# KiCad board rabbit_mask_capacitors.kicad_pcb (continued)
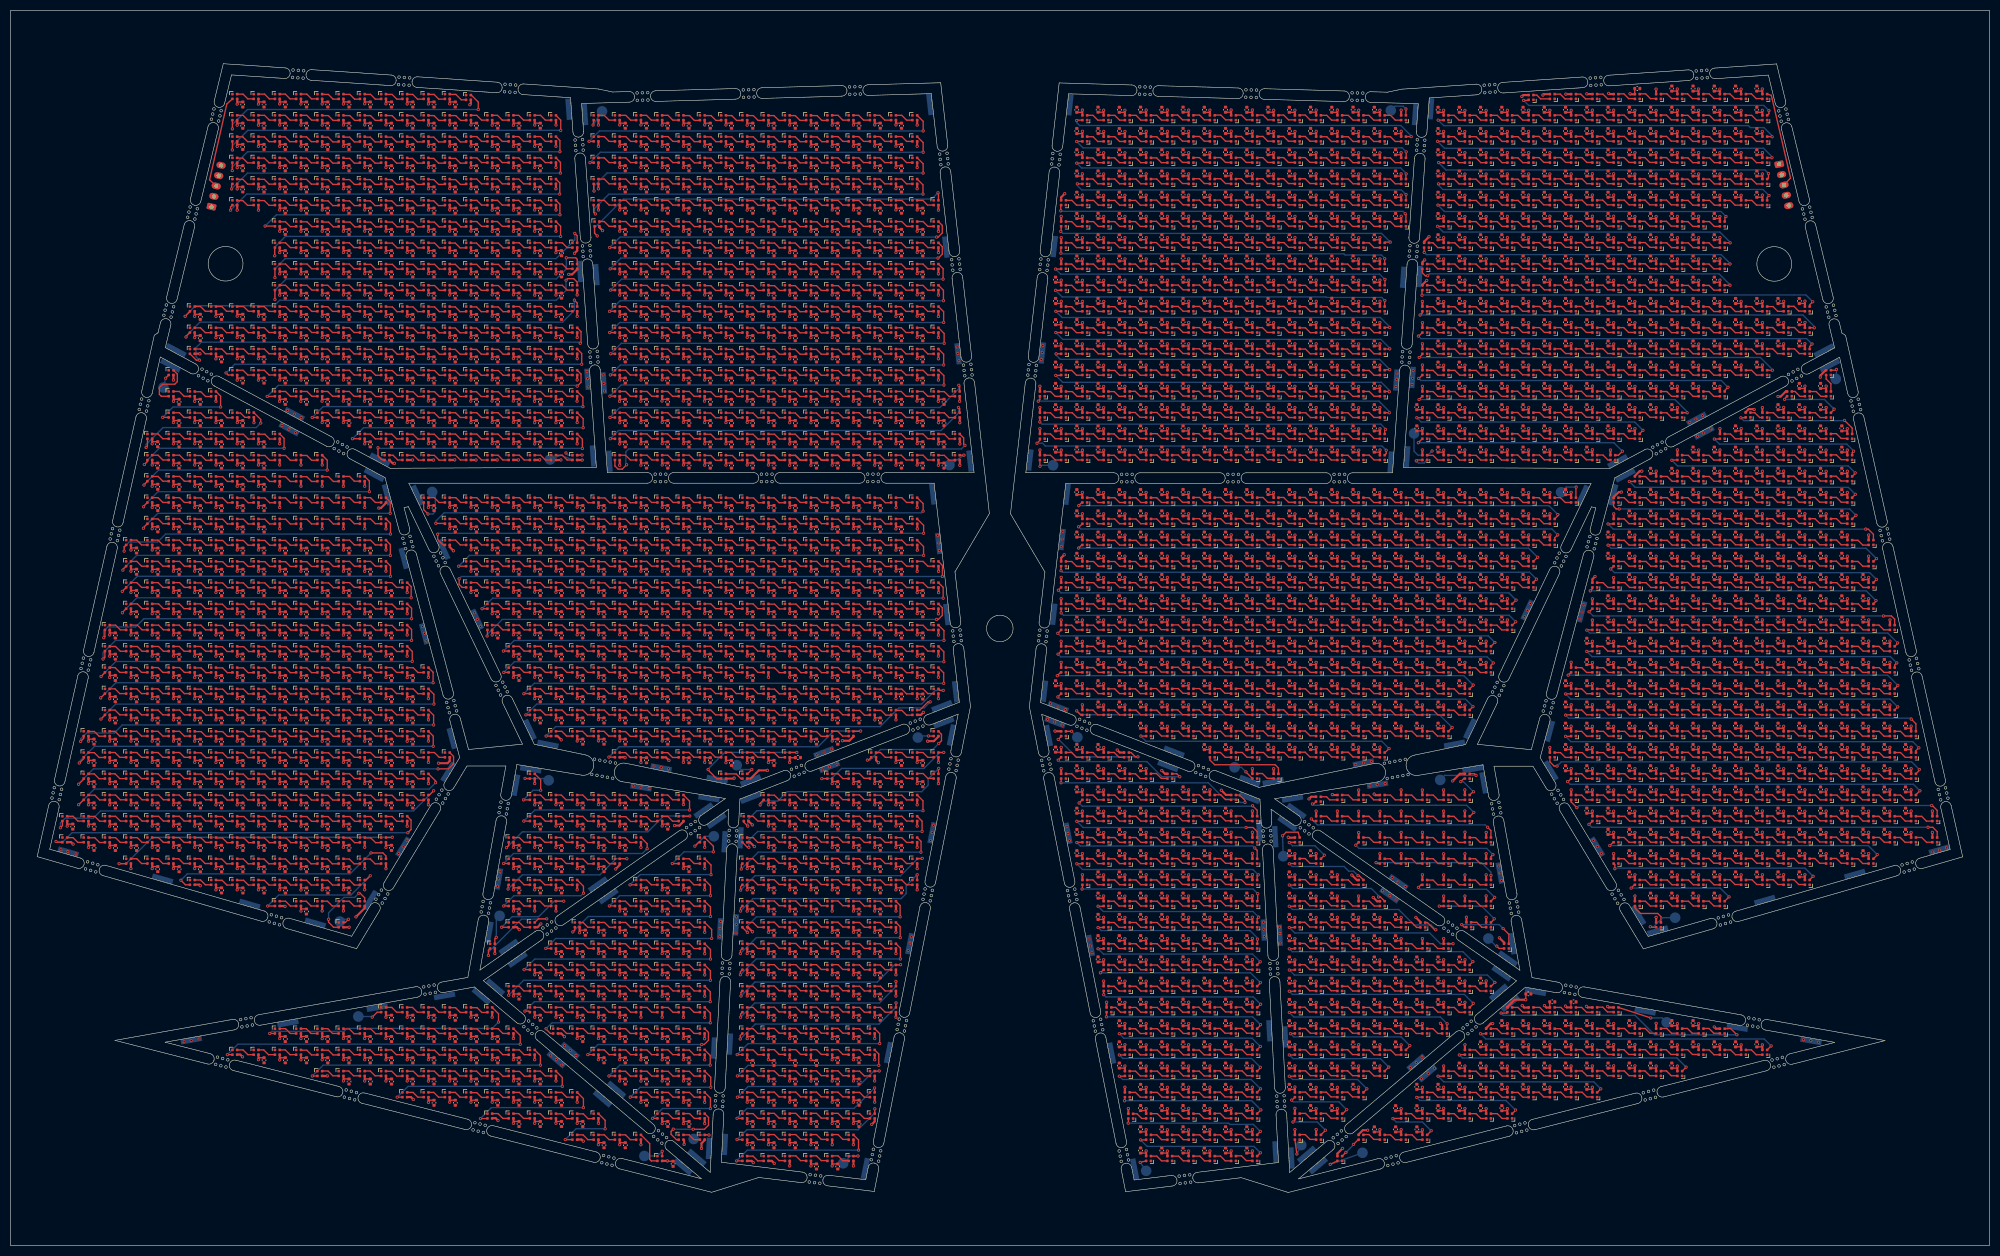
[diagram p0: board, top side]
## Placement (name value [footprint] x y rotation side) (continued)
D2834  SK6812-1515  [LED_SK6812_EC15_1.5x1.5mm]  302.2 44.36 180 top
D2835  SK6812-1515  [LED_SK6812_EC15_1.5x1.5mm]  210.2 40.36 180 top
D2836  SK6812-1515  [LED_SK6812_EC15_1.5x1.5mm]  214.2 40.36 180 top
D2837  SK6812-1515  [LED_SK6812_EC15_1.5x1.5mm]  218.2 40.36 180 top
D2838  SK6812-1515  [LED_SK6812_EC15_1.5x1.5mm]  222.2 40.36 180 top
D2839  SK6812-1515  [LED_SK6812_EC15_1.5x1.5mm]  226.2 40.36 180 top
D2840  SK6812-1515  [LED_SK6812_EC15_1.5x1.5mm]  230.2 40.36 180 top
D2841  SK6812-1515  [LED_SK6812_EC15_1.5x1.5mm]  234.2 40.36 180 top
D2842  SK6812-1515  [LED_SK6812_EC15_1.5x1.5mm]  242.2 40.36 180 top
D2843  SK6812-1515  [LED_SK6812_EC15_1.5x1.5mm]  246.2 40.36 180 top
D2844  SK6812-1515  [LED_SK6812_EC15_1.5x1.5mm]  250.2 40.36 180 top
D2845  SK6812-1515  [LED_SK6812_EC15_1.5x1.5mm]  254.2 40.36 180 top
D2846  SK6812-1515  [LED_SK6812_EC15_1.5x1.5mm]  258.2 40.36 180 top
D2847  SK6812-1515  [LED_SK6812_EC15_1.5x1.5mm]  262.2 40.36 180 top
D2848  SK6812-1515  [LED_SK6812_EC15_1.5x1.5mm]  266.2 40.36 180 top
D2849  SK6812-1515  [LED_SK6812_EC15_1.5x1.5mm]  269.93 40.36 180 top
D2850  SK6812-1515  [LED_SK6812_EC15_1.5x1.5mm]  278.2 40.36 180 top
D2851  SK6812-1515  [LED_SK6812_EC15_1.5x1.5mm]  282.2 40.36 180 top
D2852  SK6812-1515  [LED_SK6812_EC15_1.5x1.5mm]  286.2 40.36 180 top
D2853  SK6812-1515  [LED_SK6812_EC15_1.5x1.5mm]  290.2 40.36 180 top
D2854  SK6812-1515  [LED_SK6812_EC15_1.5x1.5mm]  294.2 40.36 180 top
D2855  SK6812-1515  [LED_SK6812_EC15_1.5x1.5mm]  298.2 40.36 180 top
D2856  SK6812-1515  [LED_SK6812_EC15_1.5x1.5mm]  302.2 40.36 180 top
D2857  SK6812-1515  [LED_SK6812_EC15_1.5x1.5mm]  306.2 40.36 180 top
D2858  SK6812-1515  [LED_SK6812_EC15_1.5x1.5mm]  310.2 40.36 180 top
D2859  SK6812-1515  [LED_SK6812_EC15_1.5x1.5mm]  314.2 40.36 180 top
D2860  SK6812-1515  [LED_SK6812_EC15_1.5x1.5mm]  318.2 40.36 180 top
D2861  SK6812-1515  [LED_SK6812_EC15_1.5x1.5mm]  322.2 40.36 180 top
D2862  SK6812-1515  [LED_SK6812_EC15_1.5x1.5mm]  210.2 36.36 180 top
D2863  SK6812-1515  [LED_SK6812_EC15_1.5x1.5mm]  214.2 36.36 180 top
D2864  SK6812-1515  [LED_SK6812_EC15_1.5x1.5mm]  218.2 36.36 180 top
D2865  SK6812-1515  [LED_SK6812_EC15_1.5x1.5mm]  222.2 36.36 180 top
D2866  SK6812-1515  [LED_SK6812_EC15_1.5x1.5mm]  226.2 36.36 180 top
D2867  SK6812-1515  [LED_SK6812_EC15_1.5x1.5mm]  230.2 36.36 180 top
D2868  SK6812-1515  [LED_SK6812_EC15_1.5x1.5mm]  234.2 36.36 180 top
D2869  SK6812-1515  [LED_SK6812_EC15_1.5x1.5mm]  242.2 36.36 180 top
D2870  SK6812-1515  [LED_SK6812_EC15_1.5x1.5mm]  246.2 36.36 180 top
D2871  SK6812-1515  [LED_SK6812_EC15_1.5x1.5mm]  250.2 36.36 180 top
D2872  SK6812-1515  [LED_SK6812_EC15_1.5x1.5mm]  254.2 36.36 180 top
D2873  SK6812-1515  [LED_SK6812_EC15_1.5x1.5mm]  258.2 36.36 180 top
D2874  SK6812-1515  [LED_SK6812_EC15_1.5x1.5mm]  262.2 36.36 180 top
D2875  SK6812-1515  [LED_SK6812_EC15_1.5x1.5mm]  274.2 36.36 180 top
D2876  SK6812-1515  [LED_SK6812_EC15_1.5x1.5mm]  278.2 36.36 180 top
D2877  SK6812-1515  [LED_SK6812_EC15_1.5x1.5mm]  282.2 36.36 180 top
D2878  SK6812-1515  [LED_SK6812_EC15_1.5x1.5mm]  286.2 36.36 180 top
D2879  SK6812-1515  [LED_SK6812_EC15_1.5x1.5mm]  290.2 36.36 180 top
D2880  SK6812-1515  [LED_SK6812_EC15_1.5x1.5mm]  294.2 36.36 180 top
D2881  SK6812-1515  [LED_SK6812_EC15_1.5x1.5mm]  298.2 36.36 180 top
D2882  SK6812-1515  [LED_SK6812_EC15_1.5x1.5mm]  302.2 36.36 180 top
D2883  SK6812-1515  [LED_SK6812_EC15_1.5x1.5mm]  306.2 36.36 180 top
D2884  SK6812-1515  [LED_SK6812_EC15_1.5x1.5mm]  310.2 36.36 180 top
D2885  SK6812-1515  [LED_SK6812_EC15_1.5x1.5mm]  314.2 36.36 180 top
D2886  SK6812-1515  [LED_SK6812_EC15_1.5x1.5mm]  318.2 36.36 180 top
D2887  SK6812-1515  [LED_SK6812_EC15_1.5x1.5mm]  322.2 36.36 180 top
D2888  SK6812-1515  [LED_SK6812_EC15_1.5x1.5mm]  326.2 36.36 180 top
D2889  SK6812-1515  [LED_SK6812_EC15_1.5x1.5mm]  330.2 36.36 180 top
D2890  SK6812-1515  [LED_SK6812_EC15_1.5x1.5mm]  210.2 32.36 180 top
D2891  SK6812-1515  [LED_SK6812_EC15_1.5x1.5mm]  214.2 32.36 180 top
D2892  SK6812-1515  [LED_SK6812_EC15_1.5x1.5mm]  218.2 32.36 180 top
D2893  SK6812-1515  [LED_SK6812_EC15_1.5x1.5mm]  222.2 32.36 180 top
D2894  SK6812-1515  [LED_SK6812_EC15_1.5x1.5mm]  226.2 32.36 180 top
D2895  SK6812-1515  [LED_SK6812_EC15_1.5x1.5mm]  230.2 32.36 180 top
D2896  SK6812-1515  [LED_SK6812_EC15_1.5x1.5mm]  234.2 32.36 180 top
D2897  SK6812-1515  [LED_SK6812_EC15_1.5x1.5mm]  242.2 32.36 180 top
D2898  SK6812-1515  [LED_SK6812_EC15_1.5x1.5mm]  246.2 32.36 180 top
D2899  SK6812-1515  [LED_SK6812_EC15_1.5x1.5mm]  250.2 32.36 180 top
D2900  SK6812-1515  [LED_SK6812_EC15_1.5x1.5mm]  254.2 32.36 180 top
D2901  SK6812-1515  [LED_SK6812_EC15_1.5x1.5mm]  258.2 32.36 180 top
D2902  SK6812-1515  [LED_SK6812_EC15_1.5x1.5mm]  270.2 32.36 180 top
D2903  SK6812-1515  [LED_SK6812_EC15_1.5x1.5mm]  274.2 32.36 180 top
D2904  SK6812-1515  [LED_SK6812_EC15_1.5x1.5mm]  278.2 32.36 180 top
D2905  SK6812-1515  [LED_SK6812_EC15_1.5x1.5mm]  282.2 32.36 180 top
D2906  SK6812-1515  [LED_SK6812_EC15_1.5x1.5mm]  286.2 32.36 180 top
D2907  SK6812-1515  [LED_SK6812_EC15_1.5x1.5mm]  290.2 32.36 180 top
D2908  SK6812-1515  [LED_SK6812_EC15_1.5x1.5mm]  294.2 32.36 180 top
D2909  SK6812-1515  [LED_SK6812_EC15_1.5x1.5mm]  298.2 32.36 180 top
D2910  SK6812-1515  [LED_SK6812_EC15_1.5x1.5mm]  302.2 32.36 180 top
D2911  SK6812-1515  [LED_SK6812_EC15_1.5x1.5mm]  306.2 32.36 180 top
D2912  SK6812-1515  [LED_SK6812_EC15_1.5x1.5mm]  310.2 32.36 180 top
D2913  SK6812-1515  [LED_SK6812_EC15_1.5x1.5mm]  314.2 32.36 180 top
D2914  SK6812-1515  [LED_SK6812_EC15_1.5x1.5mm]  210.2 28.36 180 top
D2915  SK6812-1515  [LED_SK6812_EC15_1.5x1.5mm]  214.2 28.36 180 top
D2916  SK6812-1515  [LED_SK6812_EC15_1.5x1.5mm]  218.2 28.36 180 top
D2917  SK6812-1515  [LED_SK6812_EC15_1.5x1.5mm]  222.2 28.36 180 top
D2918  SK6812-1515  [LED_SK6812_EC15_1.5x1.5mm]  226.2 28.36 180 top
D2919  SK6812-1515  [LED_SK6812_EC15_1.5x1.5mm]  230.2 28.36 180 top
D2920  SK6812-1515  [LED_SK6812_EC15_1.5x1.5mm]  234.2 28.36 180 top
D2921  SK6812-1515  [LED_SK6812_EC15_1.5x1.5mm]  242.2 28.36 180 top
D2922  SK6812-1515  [LED_SK6812_EC15_1.5x1.5mm]  246.2 28.36 180 top
D2923  SK6812-1515  [LED_SK6812_EC15_1.5x1.5mm]  250.2 28.36 180 top
D2924  SK6812-1515  [LED_SK6812_EC15_1.5x1.5mm]  254.2 28.36 180 top
D2925  SK6812-1515  [LED_SK6812_EC15_1.5x1.5mm]  266.2 28.36 180 top
D2926  SK6812-1515  [LED_SK6812_EC15_1.5x1.5mm]  270.2 28.36 180 top
D2927  SK6812-1515  [LED_SK6812_EC15_1.5x1.5mm]  274.2 28.36 180 top
D2928  SK6812-1515  [LED_SK6812_EC15_1.5x1.5mm]  278.2 28.36 180 top
D2929  SK6812-1515  [LED_SK6812_EC15_1.5x1.5mm]  282.2 28.36 180 top
D2930  SK6812-1515  [LED_SK6812_EC15_1.5x1.5mm]  286.2 28.36 180 top
D2931  SK6812-1515  [LED_SK6812_EC15_1.5x1.5mm]  290.2 28.36 180 top
D2932  SK6812-1515  [LED_SK6812_EC15_1.5x1.5mm]  294.2 28.36 180 top
D2933  SK6812-1515  [LED_SK6812_EC15_1.5x1.5mm]  298.2 28.36 180 top
D2934  SK6812-1515  [LED_SK6812_EC15_1.5x1.5mm]  210.85 24.34 180 top
D2935  SK6812-1515  [LED_SK6812_EC15_1.5x1.5mm]  214.2 24.36 180 top
D2936  SK6812-1515  [LED_SK6812_EC15_1.5x1.5mm]  218.2 24.36 180 top
D2937  SK6812-1515  [LED_SK6812_EC15_1.5x1.5mm]  222.2 24.36 180 top
D2938  SK6812-1515  [LED_SK6812_EC15_1.5x1.5mm]  226.2 24.36 180 top
D2939  SK6812-1515  [LED_SK6812_EC15_1.5x1.5mm]  230.2 24.36 180 top
D2940  SK6812-1515  [LED_SK6812_EC15_1.5x1.5mm]  234.2 24.36 180 top
D2941  SK6812-1515  [LED_SK6812_EC15_1.5x1.5mm]  242.2 24.36 180 top
D2942  SK6812-1515  [LED_SK6812_EC15_1.5x1.5mm]  246.2 24.36 180 top
D2943  SK6812-1515  [LED_SK6812_EC15_1.5x1.5mm]  250.2 24.36 180 top
D2944  SK6812-1515  [LED_SK6812_EC15_1.5x1.5mm]  262.2 24.36 180 top
D2945  SK6812-1515  [LED_SK6812_EC15_1.5x1.5mm]  266.2 24.36 180 top
D2946  SK6812-1515  [LED_SK6812_EC15_1.5x1.5mm]  270.2 24.36 180 top
D2947  SK6812-1515  [LED_SK6812_EC15_1.5x1.5mm]  274.2 24.36 180 top
D2948  SK6812-1515  [LED_SK6812_EC15_1.5x1.5mm]  278.2 24.36 180 top
D2949  SK6812-1515  [LED_SK6812_EC15_1.5x1.5mm]  282.2 24.36 180 top
D2950  SK6812-1515  [LED_SK6812_EC15_1.5x1.5mm]  214.2 20.36 180 top
D2951  SK6812-1515  [LED_SK6812_EC15_1.5x1.5mm]  218.2 20.36 180 top
D2952  SK6812-1515  [LED_SK6812_EC15_1.5x1.5mm]  222.2 20.36 180 top
D2953  SK6812-1515  [LED_SK6812_EC15_1.5x1.5mm]  226.2 20.36 180 top
D2954  SK6812-1515  [LED_SK6812_EC15_1.5x1.5mm]  230.2 20.36 180 top
D2955  SK6812-1515  [LED_SK6812_EC15_1.5x1.5mm]  234.2 20.36 180 top
D2956  SK6812-1515  [LED_SK6812_EC15_1.5x1.5mm]  242.2 20.36 180 top
D2957  SK6812-1515  [LED_SK6812_EC15_1.5x1.5mm]  246.2 20.36 180 top
D2958  SK6812-1515  [LED_SK6812_EC15_1.5x1.5mm]  254.2 20.36 180 top
D2959  SK6812-1515  [LED_SK6812_EC15_1.5x1.5mm]  258.2 20.36 180 top
D2960  SK6812-1515  [LED_SK6812_EC15_1.5x1.5mm]  262.2 20.36 180 top
D2961  SK6812-1515  [LED_SK6812_EC15_1.5x1.5mm]  266.2 20.36 180 top
D2962  SK6812-1515  [LED_SK6812_EC15_1.5x1.5mm]  214.2 16.36 180 top
D2963  SK6812-1515  [LED_SK6812_EC15_1.5x1.5mm]  218.2 16.36 180 top
D2964  SK6812-1515  [LED_SK6812_EC15_1.5x1.5mm]  222.2 16.36 180 top
D2965  SK6812-1515  [LED_SK6812_EC15_1.5x1.5mm]  226.2 16.36 180 top
D2966  SK6812-1515  [LED_SK6812_EC15_1.5x1.5mm]  230.2 16.36 180 top
D2967  SK6812-1515  [LED_SK6812_EC15_1.5x1.5mm]  234.2 16.36 180 top
D2968  SK6812-1515  [LED_SK6812_EC15_1.5x1.5mm]  250.2 16.36 180 top
J1485  Conn_01x05  [JST_PH_S5B-PH-K_1x05_P2.00mm_Horizontal]  37.81 195.61 77 bottom
J1486  Conn_01x05  [JST_PH_S5B-PH-K_1x05_P2.00mm_Horizontal]  332.91 203.61 283 bottom
J1487  Bridge  [1x4_SMD_edge]  112.7 147.66 184 bottom
J1487#2  Bridge  [1x4_SMD_edge]  233.25 87.46 69 bottom
J1487#3  Bridge  [1x4_SMD_edge]  173.6 141.51 6.5 bottom
J1487#4  Bridge  [1x4_SMD_edge]  325.02 41.01 260 bottom
J1487#5  Bridge  [1x4_SMD_edge]  239.95 39.26 3 bottom
J1487#6  Bridge  [1x4_SMD_edge]  238.1 17.61 3 bottom
J1487#7  Bridge  [1x4_SMD_edge]  271.8 94.41 101 bottom
J1487#8  Bridge  [1x4_SMD_edge]  281.85 54.01 55 bottom
J1487#9  Bridge  [1x4_SMD_edge]  235.05 78.11 3 bottom
J1487#10  Bridge  [1x4_SMD_edge]  97.75 97.16 25 bottom
J1487#11  Bridge  [1x4_SMD_edge]  134.45 19.01 357 bottom
J1487#12  Bridge  [1x4_SMD_edge]  76.6 141.26 25 bottom
J1487#13  Bridge  [1x4_SMD_edge]  173.05 214.86 6.5 bottom
J1487#14  Bridge  [1x4_SMD_edge]  28.6 69.01 74 bottom
J1487#15  Bridge  [1x4_SMD_edge]  242.05 81.81 55 bottom
J1487#16  Bridge  [1x4_SMD_edge]  109.65 148.66 184 bottom
J1487#17  Bridge  [1x4_SMD_edge]  280.65 51.21 55 bottom
J1487#18  Bridge  [1x4_SMD_edge]  126.55 14.81 229.5 bottom
J1487#19  Bridge  [1x4_SMD_edge]  295.9 141.26 335 bottom
J1487#20  Bridge  [1x4_SMD_edge]  236.95 40.41 3 bottom
J1487#21  Bridge  [1x4_SMD_edge]  176.25 118.81 6.5 bottom
J1487#22  Bridge  [1x4_SMD_edge]  194.6 104.36 353.5 bottom
J1487#23  Bridge  [1x4_SMD_edge]  107.2 183.41 184 bottom
J1487#24  Bridge  [1x4_SMD_edge]  30.1 165.71 242 bottom
J1487#25  Bridge  [1x4_SMD_edge]  198.85 141.46 353.5 bottom
J1487#26  Bridge  [1x4_SMD_edge]  180.6 147.71 6.5 bottom
J1487#27  Bridge  [1x4_SMD_edge]  95.1 86.66 170 bottom
J1487#28  Bridge  [1x4_SMD_edge]  176.05 188.01 6.5 bottom
J1487#29  Bridge  [1x4_SMD_edge]  196.45 188.11 353.5 bottom
J1487#30  Bridge  [1x4_SMD_edge]  131.45 84.21 261 bottom
J1487#31  Bridge  [1x4_SMD_edge]  175.65 98.46 291 bottom
J1487#32  Bridge  [1x4_SMD_edge]  68.45 145.11 242 bottom
J1487#33  Bridge  [1x4_SMD_edge]  81.68 47.01 100 bottom
J1487#34  Bridge  [1x4_SMD_edge]  131.45 18.26 357 bottom
J1487#35  Bridge  [1x4_SMD_edge]  289.95 89.41 211.5 bottom
J1487#36  Bridge  [1x4_SMD_edge]  111.4 27.61 229.5 bottom
J1487#37  Bridge  [1x4_SMD_edge]  57.35 60.71 74 bottom
J1487#38  Bridge  [1x4_SMD_edge]  74 129.36 15 bottom
J1487#39  Bridge  [1x4_SMD_edge]  139.3 87.56 291 bottom
J1487#40  Bridge  [1x4_SMD_edge]  241.3 84.16 99 bottom
J1487#41  Bridge  [1x4_SMD_edge]  67.7 65.01 148.5 bottom
J1487#42  Bridge  [1x4_SMD_edge]  31.15 168.56 242 bottom
J1487#43  Bridge  [1x4_SMD_edge]  246.15 15.01 130.5 bottom
J1487#44  Bridge  [1x4_SMD_edge]  282.65 56.81 190 bottom
J1487#45  Bridge  [1x4_SMD_edge]  129.2 16.56 229.5 bottom
J1487#46  Bridge  [1x4_SMD_edge]  330.2 65.01 286 bottom
J1487#47  Bridge  [1x4_SMD_edge]  341.35 168.51 118 bottom
J1487#48  Bridge  [1x4_SMD_edge]  139.3 84.31 291 bottom
J1487#49  Bridge  [1x4_SMD_edge]  287.05 47.76 260 bottom
J1487#50  Bridge  [1x4_SMD_edge]  303.95 145.01 118 bottom
J1487#51  Bridge  [1x4_SMD_edge]  69.5 147.96 242 bottom
J1487#52  Bridge  [1x4_SMD_edge]  177.1 96.11 348.6 bottom
J1487#53  Bridge  [1x4_SMD_edge]  70.85 141.36 15 bottom
J1487#54  Bridge  [1x4_SMD_edge]  135.4 37.91 357 bottom
J1487#55  Bridge  [1x4_SMD_edge]  241.1 16.46 3 bottom
J1487#56  Bridge  [1x4_SMD_edge]  275.25 89.71 99 bottom
J1487#57  Bridge  [1x4_SMD_edge]  132.9 79.96 305 bottom
J1487#58  Bridge  [1x4_SMD_edge]  191.85 147.91 353.5 bottom
J1487#59  Bridge  [1x4_SMD_edge]  91.25 48.66 229.5 bottom
J1487#60  Bridge  [1x4_SMD_edge]  237.65 87.36 101 bottom
J1487#61  Bridge  [1x4_SMD_edge]  165.25 36.31 348.6 bottom
J1487#62  Bridge  [1x4_SMD_edge]  137.4 76.76 357 bottom
J1487#63  Bridge  [1x4_SMD_edge]  110.25 182.81 184 bottom
J1487#64  Bridge  [1x4_SMD_edge]  240.35 79.41 55 bottom
J1487#65  Bridge  [1x4_SMD_edge]  280.1 47.66 130.5 bottom
J1487#66  Bridge  [1x4_SMD_edge]  277.3 87.11 190 bottom
J1487#67  Bridge  [1x4_SMD_edge]  108.1 212.96 184 bottom
J1487#68  Bridge  [1x4_SMD_edge]  130.45 81.91 305 bottom
J1487#69  Bridge  [1x4_SMD_edge]  69.02 44.78 100 bottom
J1487#70  Bridge  [1x4_SMD_edge]  132.4 37.16 357 bottom
J1487#71  Bridge  [1x4_SMD_edge]  282.3 45.56 130.5 bottom
J1487#72  Bridge  [1x4_SMD_edge]  110.55 67.96 305 bottom
J1487#73  Bridge  [1x4_SMD_edge]  101.15 94.36 259 bottom
J1487#74  Bridge  [1x4_SMD_edge]  342.45 165.71 118 bottom
J1487#75  Bridge  [1x4_SMD_edge]  95.45 53.81 305 bottom
J1487#76  Bridge  [1x4_SMD_edge]  233.15 84.26 69 bottom
J1487#77  Bridge  [1x4_SMD_edge]  289.75 96.81 345 bottom
J1487#78  Bridge  [1x4_SMD_edge]  301.65 141.36 345 bottom
J1487#79  Bridge  [1x4_SMD_edge]  306.45 62.21 211.5 bottom
J1487#80  Bridge  [1x4_SMD_edge]  243.95 17.11 130.5 bottom
J1487#81  Bridge  [1x4_SMD_edge]  88.6 46.91 229.5 bottom
J1487#82  Bridge  [1x4_SMD_edge]  195.35 96.01 11.2 bottom
J1487#83  Bridge  [1x4_SMD_edge]  207.25 36.21 11.2 bottom
J1487#84  Bridge  [1x4_SMD_edge]  211.6 14.36 11.2 bottom
J1487#85  Bridge  [1x4_SMD_edge]  217.85 90.26 69 bottom
J1487#86  Bridge  [1x4_SMD_edge]  302.5 147.66 118 bottom
J1487#87  Bridge  [1x4_SMD_edge]  93.75 56.21 305 bottom
J1487#88  Bridge  [1x4_SMD_edge]  347.15 69.91 286 bottom
J1487#89  Bridge  [1x4_SMD_edge]  196.35 118.86 353.5 bottom
J1487#90  Bridge  [1x4_SMD_edge]  97.9 89.66 261 bottom
J1487#91  Bridge  [1x4_SMD_edge]  133 87.76 259 bottom
J1487#92  Bridge  [1x4_SMD_edge]  45 64.26 74 bottom
J1487#93  Bridge  [1x4_SMD_edge]  264.4 212.96 176 bottom
J1487#94  Bridge  [1x4_SMD_edge]  310.05 59.26 106 bottom
J1487#95  Bridge  [1x4_SMD_edge]  112.55 65.76 305 bottom
J1487#96  Bridge  [1x4_SMD_edge]  307.68 44.1 260 bottom
J1487#97  Bridge  [1x4_SMD_edge]  114.05 29.36 229.5 bottom
J1487#98  Bridge  [1x4_SMD_edge]  274.7 97.31 335 bottom
J1487#99  Bridge  [1x4_SMD_edge]  134.4 76.01 357 bottom
J1487#100  Bridge  [1x4_SMD_edge]  238.05 76.96 3 bottom
J1487#101  Bridge  [1x4_SMD_edge]  52.2 41.86 100 bottom
J1487#102  Bridge  [1x4_SMD_edge]  83.05 95.46 15 bottom
J1487#103  Bridge  [1x4_SMD_edge]  199.4 214.81 173.5 bottom
J1487#104  Bridge  [1x4_SMD_edge]  219 92.96 69 bottom
J1487#105  Bridge  [1x4_SMD_edge]  81.5 131.06 25 bottom
J1487#106  Bridge  [1x4_SMD_edge]  82.35 89.16 148.5 bottom
J1487#107  Bridge  [1x4_SMD_edge]  160.9 14.46 348.6 bottom
J1487#108  Bridge  [1x4_SMD_edge]  90.1 58.96 170 bottom
J1487#109  Bridge  [1x4_SMD_edge]  177.9 104.26 6.5 bottom
J1487#110  Bridge  [1x4_SMD_edge]  175.3 101.56 291 bottom
J1487#111  Bridge  [1x4_SMD_edge]  105.05 213.96 184 bottom
J1488  Bridge  [1x4_SMD_edge]  262.85 148.51 176 bottom
J1489  Bridge  [1x4_SMD_edge]  265.2 182.46 176 bottom
J1490  Bridge  [1x4_SMD_edge]  262.15 182.31 176 bottom
J1491  Bridge  [1x4_SMD_edge]  259.8 147.51 176 bottom
J1492  Bridge  [1x4_SMD_edge]  267.35 214.06 356 bottom
J1493  Bridge  [1x4_SMD_edge]  295.8 119.31 345 bottom
J1493#2  Bridge  [1x4_SMD_edge]  87.83 117.91 25 bottom
J1493#3  Bridge  [1x4_SMD_edge]  318.8 153.06 118 bottom
J1493#4  Bridge  [1x4_SMD_edge]  173.44 77.7 348.6 bottom
J1493#5  Bridge  [1x4_SMD_edge]  108.6 163.11 184 bottom
J1493#6  Bridge  [1x4_SMD_edge]  77.85 115.16 15 bottom
J1493#7  Bridge  [1x4_SMD_edge]  235.9 59.39 3 bottom
J1493#8  Bridge  [1x4_SMD_edge]  111.65 162.41 184 bottom
J1493#9  Bridge  [1x4_SMD_edge]  197.2 101.41 69 bottom
J1493#10  Bridge  [1x4_SMD_edge]  254.65 90.86 101 bottom
J1493#11  Bridge  [1x4_SMD_edge]  105.35 36.71 229.5 bottom
J1493#12  Bridge  [1x4_SMD_edge]  261.25 68.41 55 bottom
J1493#13  Bridge  [1x4_SMD_edge]  154.15 90.11 291 bottom
J1493#14  Bridge  [1x4_SMD_edge]  203.27 56.49 11.2 bottom
J1493#15  Bridge  [1x4_SMD_edge]  285.5 119.66 335 bottom
J1493#16  Bridge  [1x4_SMD_edge]  280.35 70.11 190 bottom
J1493#17  Bridge  [1x4_SMD_edge]  34.01 38.67 100 bottom
J1493#18  Bridge  [1x4_SMD_edge]  317.35 155.66 118 bottom
J1493#19  Bridge  [1x4_SMD_edge]  260.85 162.96 176 bottom
J1493#20  Bridge  [1x4_SMD_edge]  153.1 92.91 291 bottom
J1493#21  Bridge  [1x4_SMD_edge]  52.4 153.71 242 bottom
J1493#22  Bridge  [1x4_SMD_edge]  174.7 132.19 6.5 bottom
J1493#23  Bridge  [1x4_SMD_edge]  122.45 89.94 259 bottom
J1493#24  Bridge  [1x4_SMD_edge]  178.35 167.91 6.5 bottom
J1493#25  Bridge  [1x4_SMD_edge]  197.93 132.94 353.5 bottom
J1493#26  Bridge  [1x4_SMD_edge]  118.67 86.26 261 bottom
J1493#27  Bridge  [1x4_SMD_edge]  259.55 65.91 55 bottom
J1493#28  Bridge  [1x4_SMD_edge]  363.05 74.51 286 bottom
J1493#29  Bridge  [1x4_SMD_edge]  133.55 59.61 357 bottom
J1493#30  Bridge  [1x4_SMD_edge]  102.7 34.96 229.5 bottom
J1493#31  Bridge  [1x4_SMD_edge]  264.55 34.46 130.5 bottom
J1493#32  Bridge  [1x4_SMD_edge]  73.85 75.06 148.5 bottom
J1493#33  Bridge  [1x4_SMD_edge]  136.55 60.36 357 bottom
J1493#34  Bridge  [1x4_SMD_edge]  338.9 38.51 260 bottom
J1493#35  Bridge  [1x4_SMD_edge]  194.2 168.06 353.5 bottom
J1493#36  Bridge  [1x4_SMD_edge]  91.9 69.01 170 bottom
J1493#37  Bridge  [1x4_SMD_edge]  263.9 163.46 176 bottom
J1493#38  Bridge  [1x4_SMD_edge]  238.9 58.41 3 bottom
J1493#39  Bridge  [1x4_SMD_edge]  169.25 56.81 348.6 bottom
J1493#40  Bridge  [1x4_SMD_edge]  266.75 32.36 130.5 bottom
J1493#41  Bridge  [1x4_SMD_edge]  298.7 75.06 211.5 bottom
J1493#42  Bridge  [1x4_SMD_edge]  196.6 98.51 69 bottom
J1493#43  Bridge  [1x4_SMD_edge]  257.3 86.76 99 bottom
J1493#44  Bridge  [1x4_SMD_edge]  10.85 74.11 74 bottom
J1493#45  Bridge  [1x4_SMD_edge]  199.05 77.61 11.2 bottom
J1493#46  Bridge  [1x4_SMD_edge]  53.45 156.56 242 bottom
kibuzzard-67073D6C  G***  [kibuzzard-67073D6C]  100.67 150.14 180 bottom
kibuzzard-67073D6C#2  G***  [kibuzzard-67073D6C]  114.38 214.19 180 bottom
kibuzzard-67073D97  G***  [kibuzzard-67073D97]  31.68 161.69 180 bottom
kibuzzard-67073D97#2  G***  [kibuzzard-67073D97]  174.25 148.59 180 bottom
kibuzzard-67073DB3  G***  [kibuzzard-67073DB3]  60.67 63.06 180 bottom
kibuzzard-67073DB3#2  G***  [kibuzzard-67073DB3]  82.4 142.46 180 bottom
kibuzzard-67073DD1  G***  [kibuzzard-67073DD1]  136.62 92.61 180 bottom
kibuzzard-67073DD1#2  G***  [kibuzzard-67073DD1]  104.27 87.99 180 bottom
kibuzzard-67073DF6  G***  [kibuzzard-67073DF6]  94.92 61.44 180 bottom
kibuzzard-67073DF6#2  G***  [kibuzzard-67073DF6]  62.62 42.21 180 bottom
kibuzzard-67073E4F  G***  [kibuzzard-67073E4F]  167.95 94.51 180 bottom
kibuzzard-67073E4F#2  G***  [kibuzzard-67073E4F]  125.8 20.59 180 bottom
kibuzzard-67073E20  G***  [kibuzzard-67073E20]  129.57 76.39 180 bottom
kibuzzard-67073E20#2  G***  [kibuzzard-67073E20]  116.58 17.64 180 bottom
kibuzzard-67073EC5  G***  [kibuzzard-67073EC5]  267.22 152.51 180 bottom
kibuzzard-67073EC5#2  G***  [kibuzzard-67073EC5]  257.32 212.24 180 bottom
kibuzzard-67073ED8  G***  [kibuzzard-67073ED8]  343.97 160.89 180 bottom
kibuzzard-67073ED8#2  G***  [kibuzzard-67073ED8]  199.3 146.96 180 bottom
kibuzzard-67073EEE  G***  [kibuzzard-67073EEE]  290.32 139.84 180 bottom
kibuzzard-67073EEE#2  G***  [kibuzzard-67073EEE]  316 62.39 180 bottom
kibuzzard-67073F2A  G***  [kibuzzard-67073F2A]  275.85 59.49 180 bottom
kibuzzard-67073F2A#2  G***  [kibuzzard-67073F2A]  314.07 40.44 180 bottom
kibuzzard-67073F04  G***  [kibuzzard-67073F04]  227.72 91.11 180 bottom
kibuzzard-67073F04#2  G***  [kibuzzard-67073F04]  266.22 87.31 180 bottom
kibuzzard-67073F5B  G***  [kibuzzard-67073F5B]  245.22 20.49 180 bottom
kibuzzard-67073F5B#2  G***  [kibuzzard-67073F5B]  203.65 94.89 180 bottom
kibuzzard-67073F41  G***  [kibuzzard-67073F41]  242.62 72.56 180 bottom
kibuzzard-67073F41#2  G***  [kibuzzard-67073F41]  257.4 18.49 180 bottom
TP1485  LED_JMP  [TestPoint_Pad_D3.0mm]  196.22 146.91 180 bottom
TP1486  LED_JMP  [TestPoint_Pad_D3.0mm]  264.18 152.91 180 bottom
TP1487  LED_JMP  [TestPoint_Pad_D3.0mm]  230.4 90.04 180 bottom
TP1488  LED_JMP  [TestPoint_Pad_D3.0mm]  213.75 14.04 180 bottom
TP1489  LED_JMP  [TestPoint_Pad_D3.0mm]  242.95 18.89 180 bottom
TP1490  LED_JMP  [TestPoint_Pad_D3.0mm]  254.47 17.44 180 bottom
TP1491  LED_JMP  [TestPoint_Pad_D3.0mm]  278.18 57.79 180 bottom
TP1492  LED_JMP  [TestPoint_Pad_D3.0mm]  313.32 61.71 180 bottom
TP1493  LED_JMP  [TestPoint_Pad_D3.0mm]  259.8 213.74 180 bottom
TP1494  LED_JMP  [TestPoint_Pad_D3.0mm]  343.57 163.16 180 bottom
TP1495  LED_JMP  [TestPoint_Pad_D3.0mm]  291.85 141.84 180 bottom
TP1496  LED_JMP  [TestPoint_Pad_D3.0mm]  269.1 87.66 180 bottom
TP1497  LED_JMP  [TestPoint_Pad_D3.0mm]  200.8 95.69 180 bottom
TP1498  LED_JMP  [TestPoint_Pad_D3.0mm]  239.55 73.29 180 bottom
TP1499  LED_JMP  [TestPoint_Pad_D3.0mm]  311.72 42.01 180 bottom
TP1500  LED_JMP  [TestPoint_Pad_D3.0mm]  101.55 148.01 180 bottom
TP1501  LED_JMP  [TestPoint_Pad_D3.0mm]  111.33 213.56 180 bottom
TP1502  LED_JMP  [TestPoint_Pad_D3.0mm]  176.72 146.96 180 bottom
TP1503  LED_JMP  [TestPoint_Pad_D3.0mm]  79.35 141.89 180 bottom
TP1504  LED_JMP  [TestPoint_Pad_D3.0mm]  28.78 161.56 180 bottom
TP1505  LED_JMP  [TestPoint_Pad_D3.0mm]  136.67 90.44 180 bottom
TP1506  LED_JMP  [TestPoint_Pad_D3.0mm]  170.77 95.64 180 bottom
TP1507  LED_JMP  [TestPoint_Pad_D3.0mm]  156.72 15.46 180 bottom
TP1508  LED_JMP  [TestPoint_Pad_D3.0mm]  128.57 20.04 180 bottom
TP1509  LED_JMP  [TestPoint_Pad_D3.0mm]  132.38 77.04 180 bottom
TP1510  LED_JMP  [TestPoint_Pad_D3.0mm]  101.27 87.59 180 bottom
TP1511  LED_JMP  [TestPoint_Pad_D3.0mm]  92.05 62.06 180 bottom
TP1512  LED_JMP  [TestPoint_Pad_D3.0mm]  119.3 16.84 180 bottom
TP1513  LED_JMP  [TestPoint_Pad_D3.0mm]  65.45 43.11 180 bottom
TP1514  LED_JMP  [TestPoint_Pad_D3.0mm]  61.98 60.99 180 bottom

## Library data of the parts
C1485 C1485#2-C1485#2626 = -: Description: Unpolarized capacitor, small symbol
D1-D108 D110-D141 D143-D175 D179-D1690 D1694-D2968 = -: Description: RGB LED with integrated controller; Field4: 1
J1485 J1486 = -: Description: Generic connector, single row, 01x05, script generated (kicad-library-utils/schlib/autogen/connector/)
J1487 J1487#2-J1487#111 J1488-J1493 J1493#2-J1493#46 = -: Description: Generic connector, single row, 01x01, script generated (kicad-library-utils/schlib/autogen/connector/)
TP1485-TP1514 = -: Description: test point

## Footprints (pads in the part's own frame, mm; a bottom-side part is the same pattern mirrored in y, then rotated)
1x4_SMD_edge
  rect 1x4 smd: 1(0,0)
C_0402_1005Metric
  rrect 0.56x0.62 smd: 1(-0.48,0) 2(0.48,0)
JST_PH_S5B-PH-K_1x05_P2.00mm_Horizontal
  rrect 1.2x1.75 hole 0.75: 1(0,0)
  oval 1.2x1.75 hole 0.75: 2(2,0) 3(4,0) 4(6,0) 5(8,0)
LED_SK6812_EC15_1.5x1.5mm
  rrect 0.5x0.5 smd: 1(-0.45,-0.45) 2(0.45,-0.45) 3(0.45,0.45) 4(-0.45,0.45)
TestPoint_Pad_D3.0mm
  round 2 smd: 1(0,0)

## Nets
